# Altium PCB MainBoard_Layout_V2.1.PcbDoc (part 1 of 3)
Units mil, origin at the board's own origin, x right, y up, seen from the top; angles counter-clockwise.
Board outline 6141.73 x 3281.1 mil, 4 copper layers (Top Layer 1, Top Layer, Bottom Layer, Bottom Layer 1), stack 61.811 mil thick; 308 components, 232 nets, 1106 pads, 632 vias.
Unrouted connection lines stored in the file: 2.
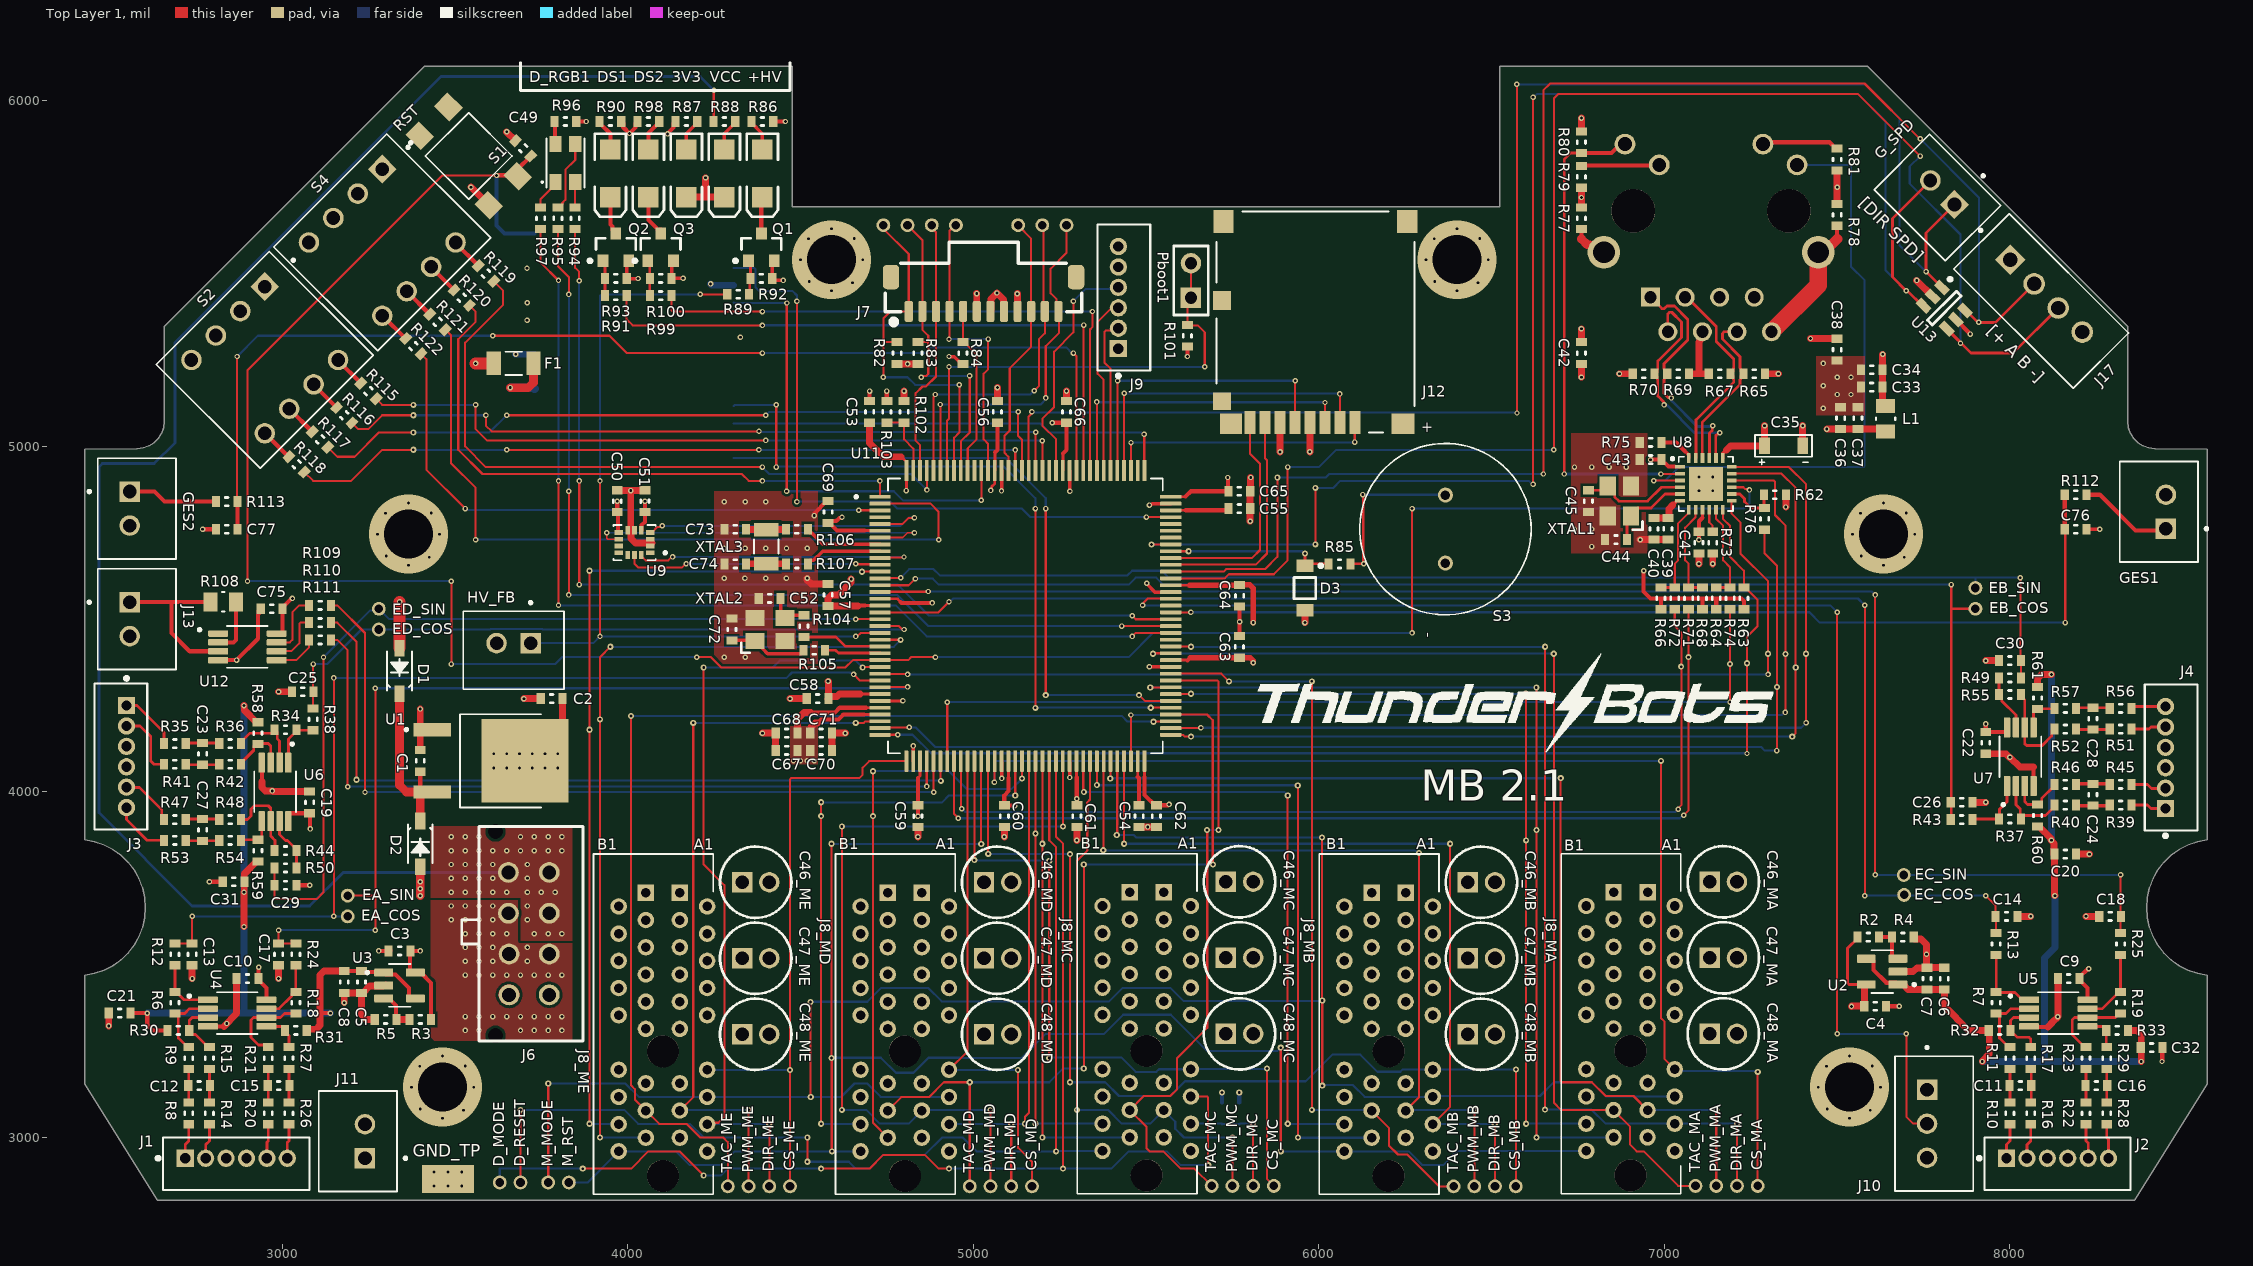
[diagram p0: Top Layer 1 view]
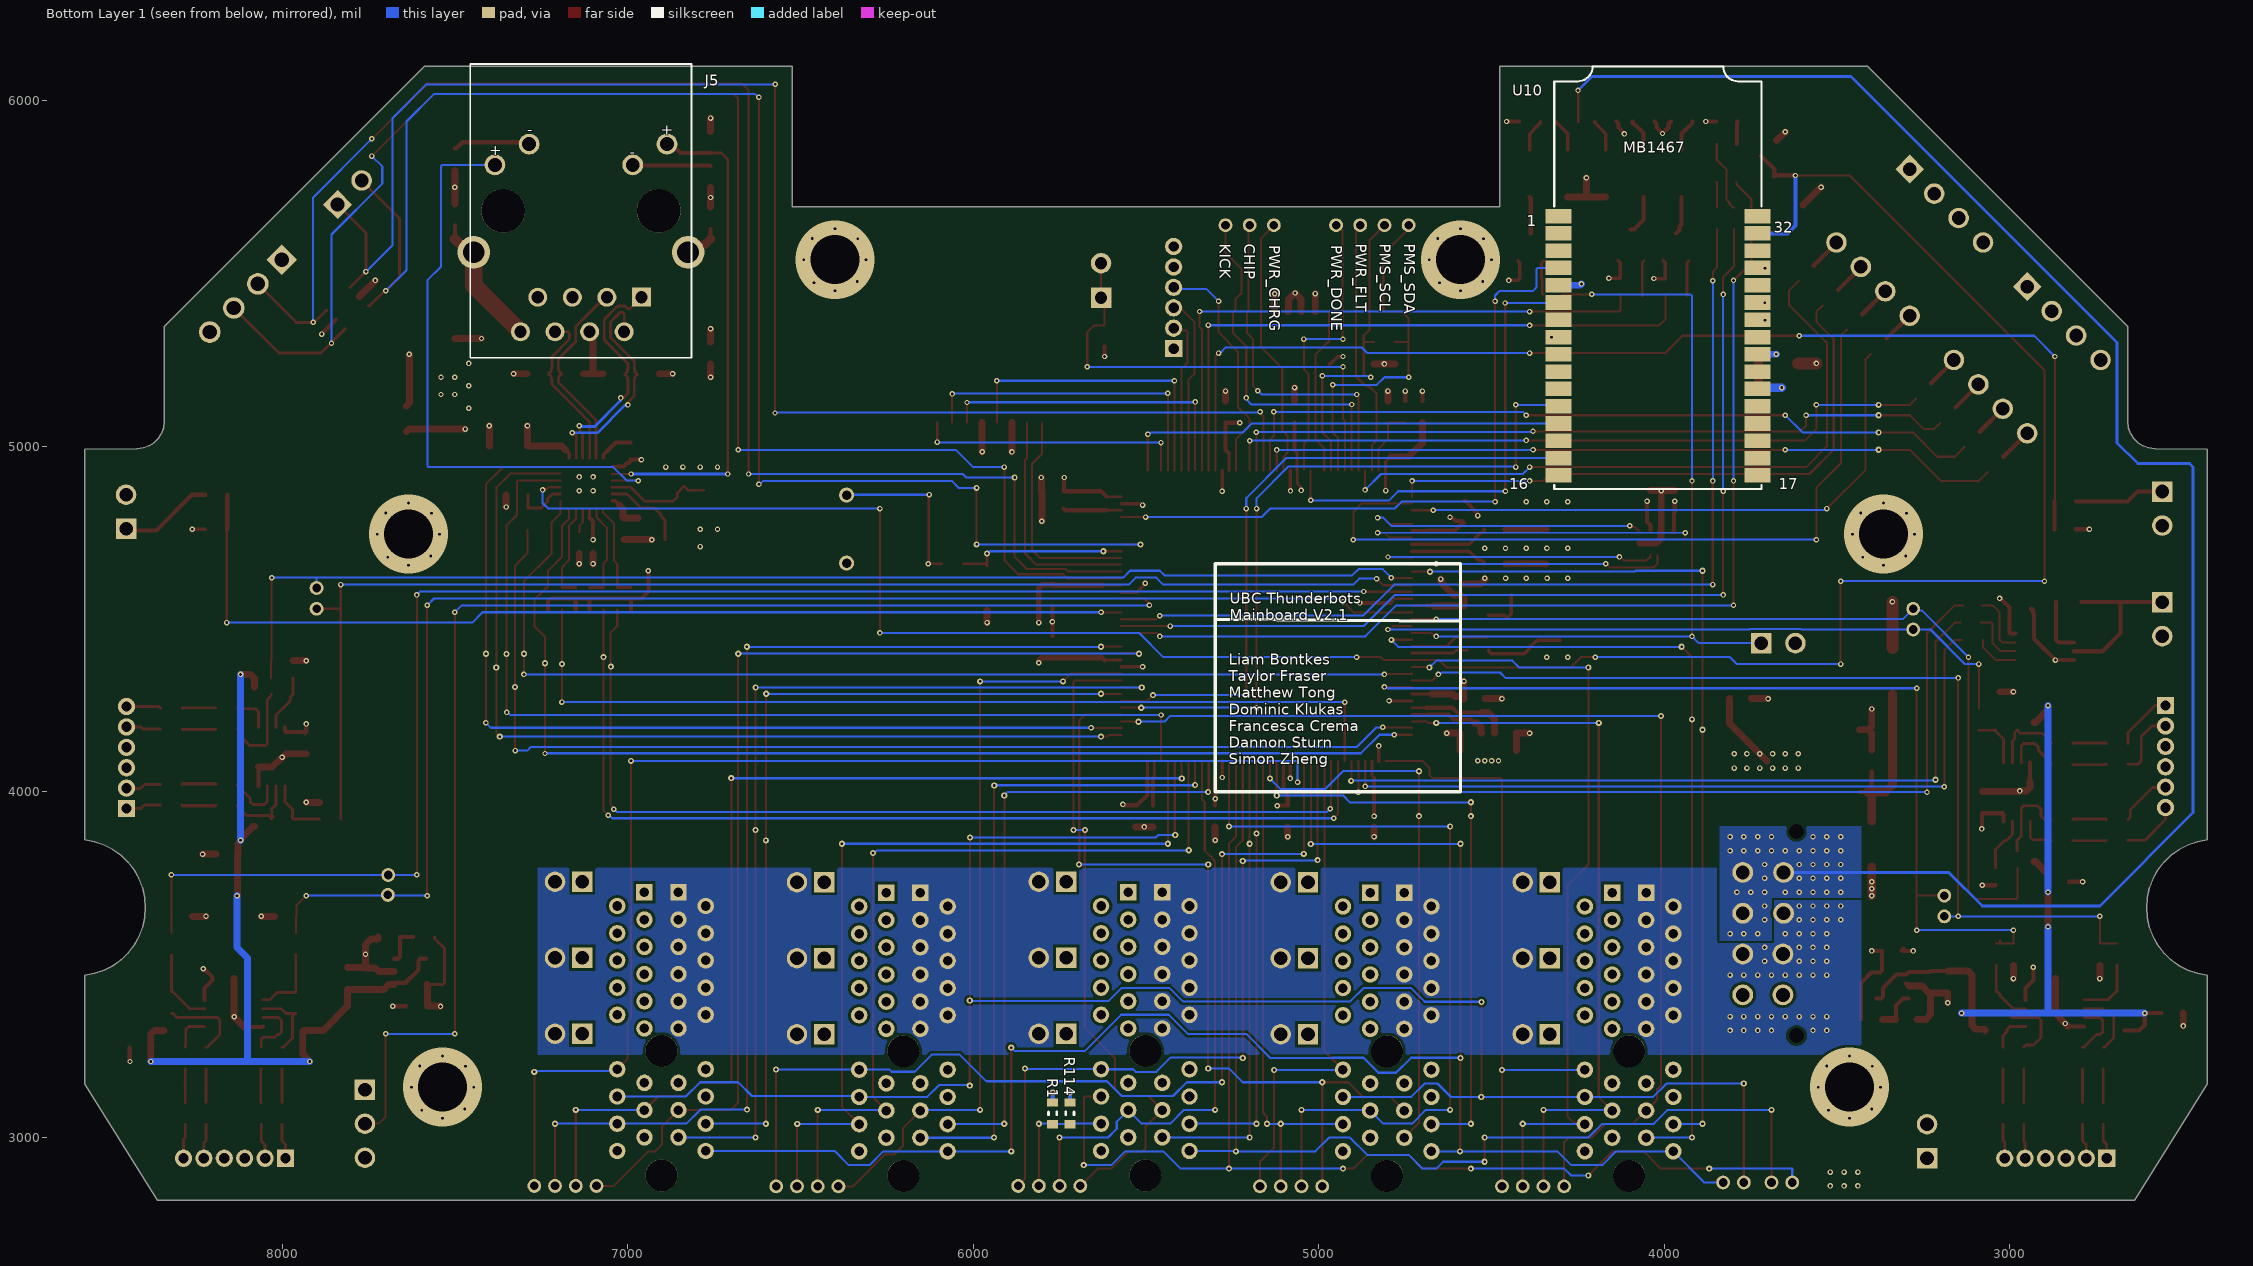
[diagram p1: Bottom Layer 1 view, seen from below]
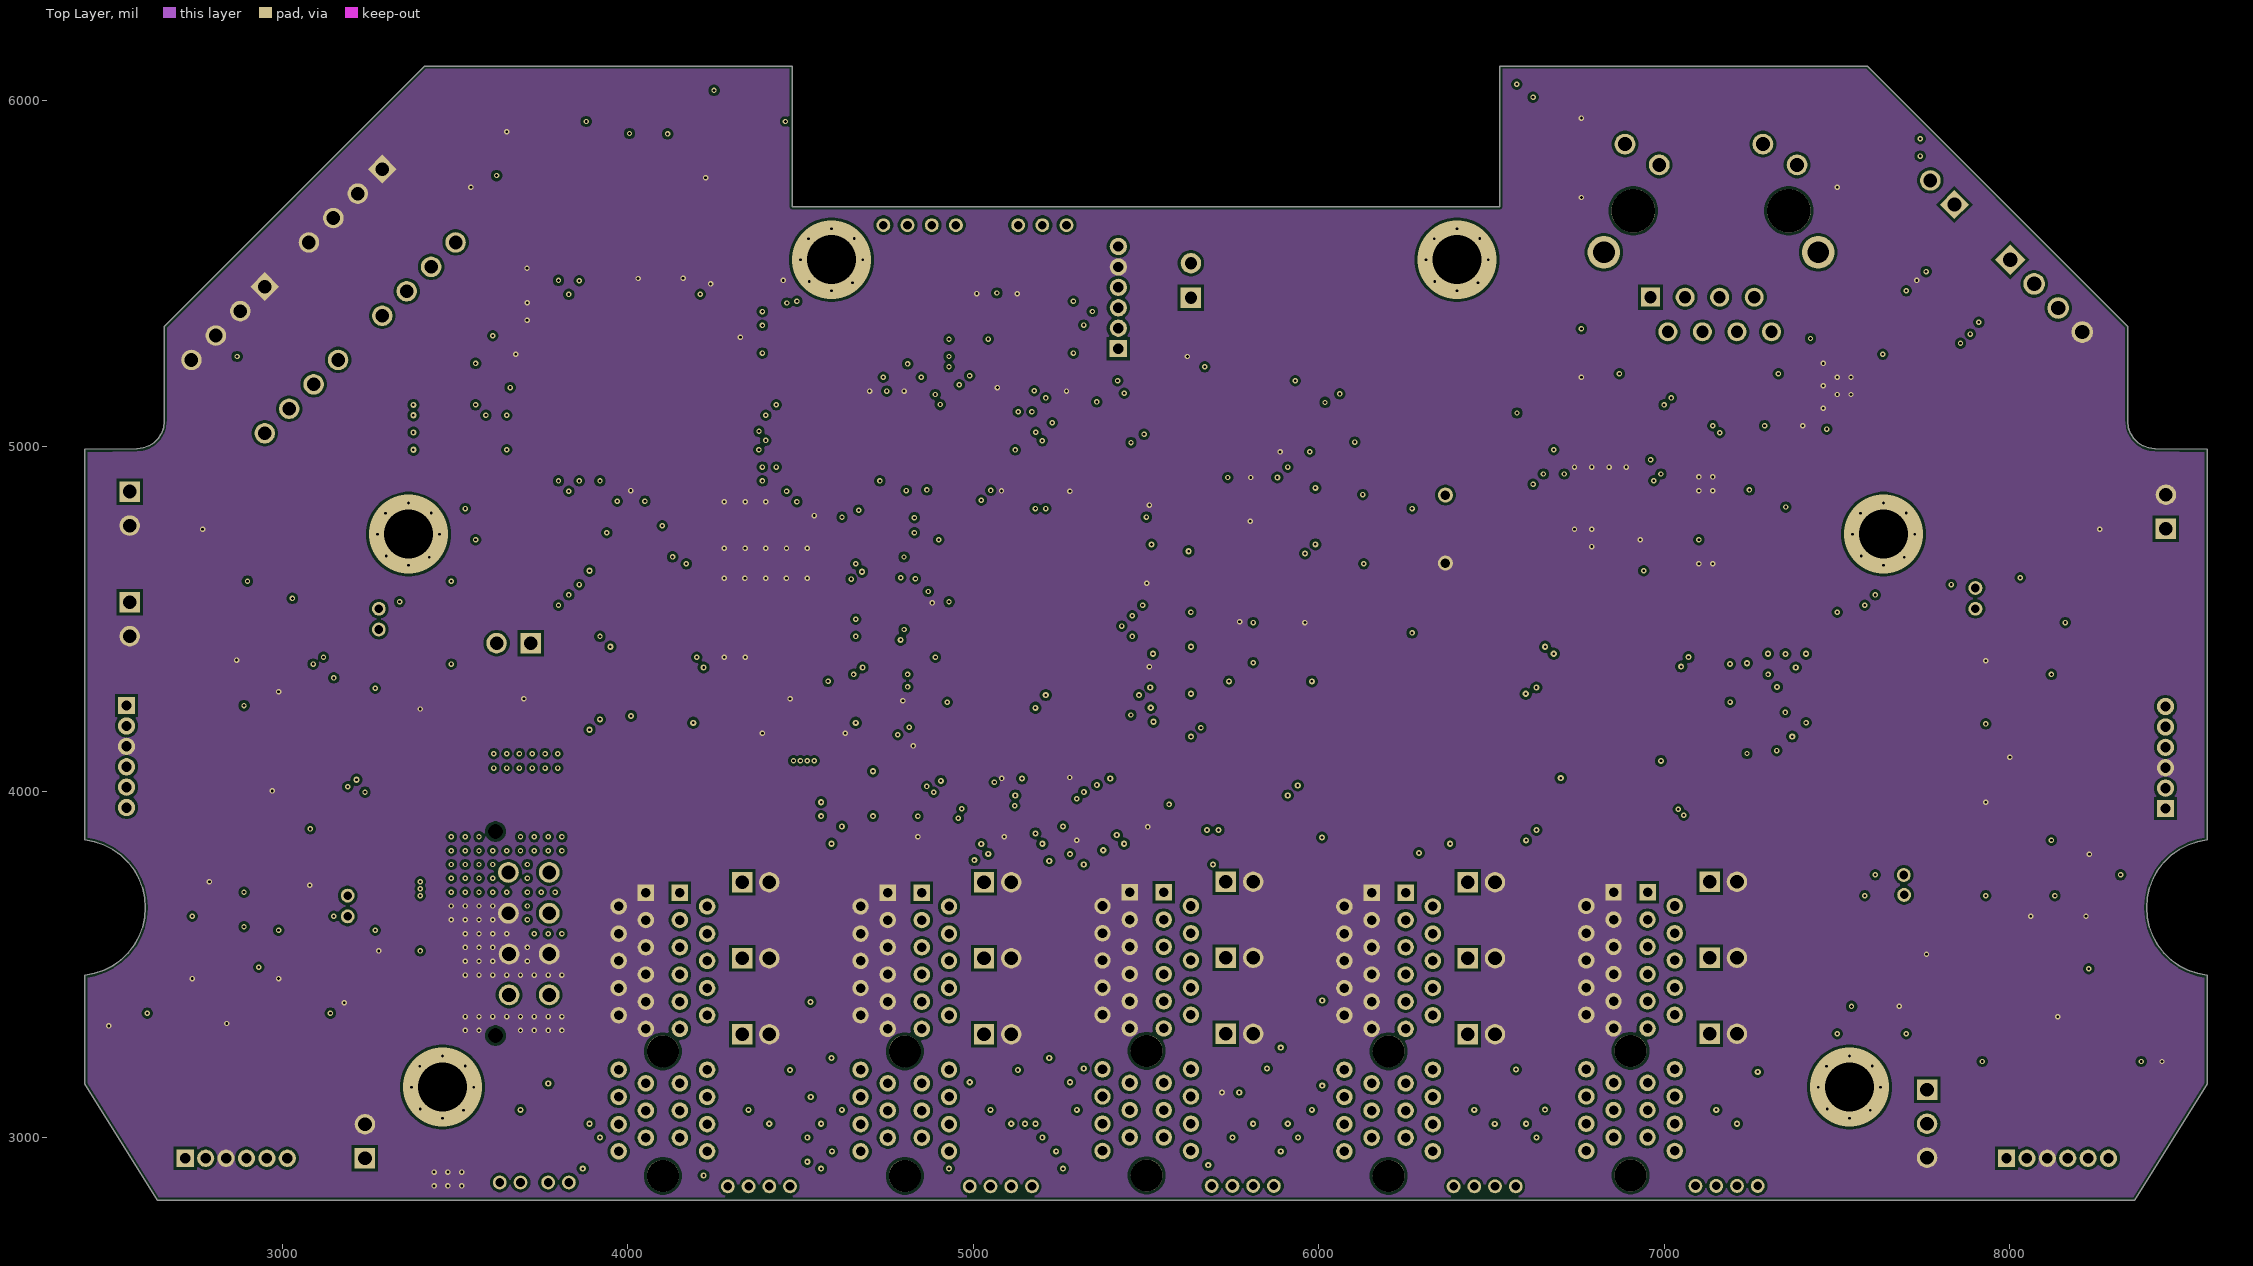
[diagram p2: Top Layer]
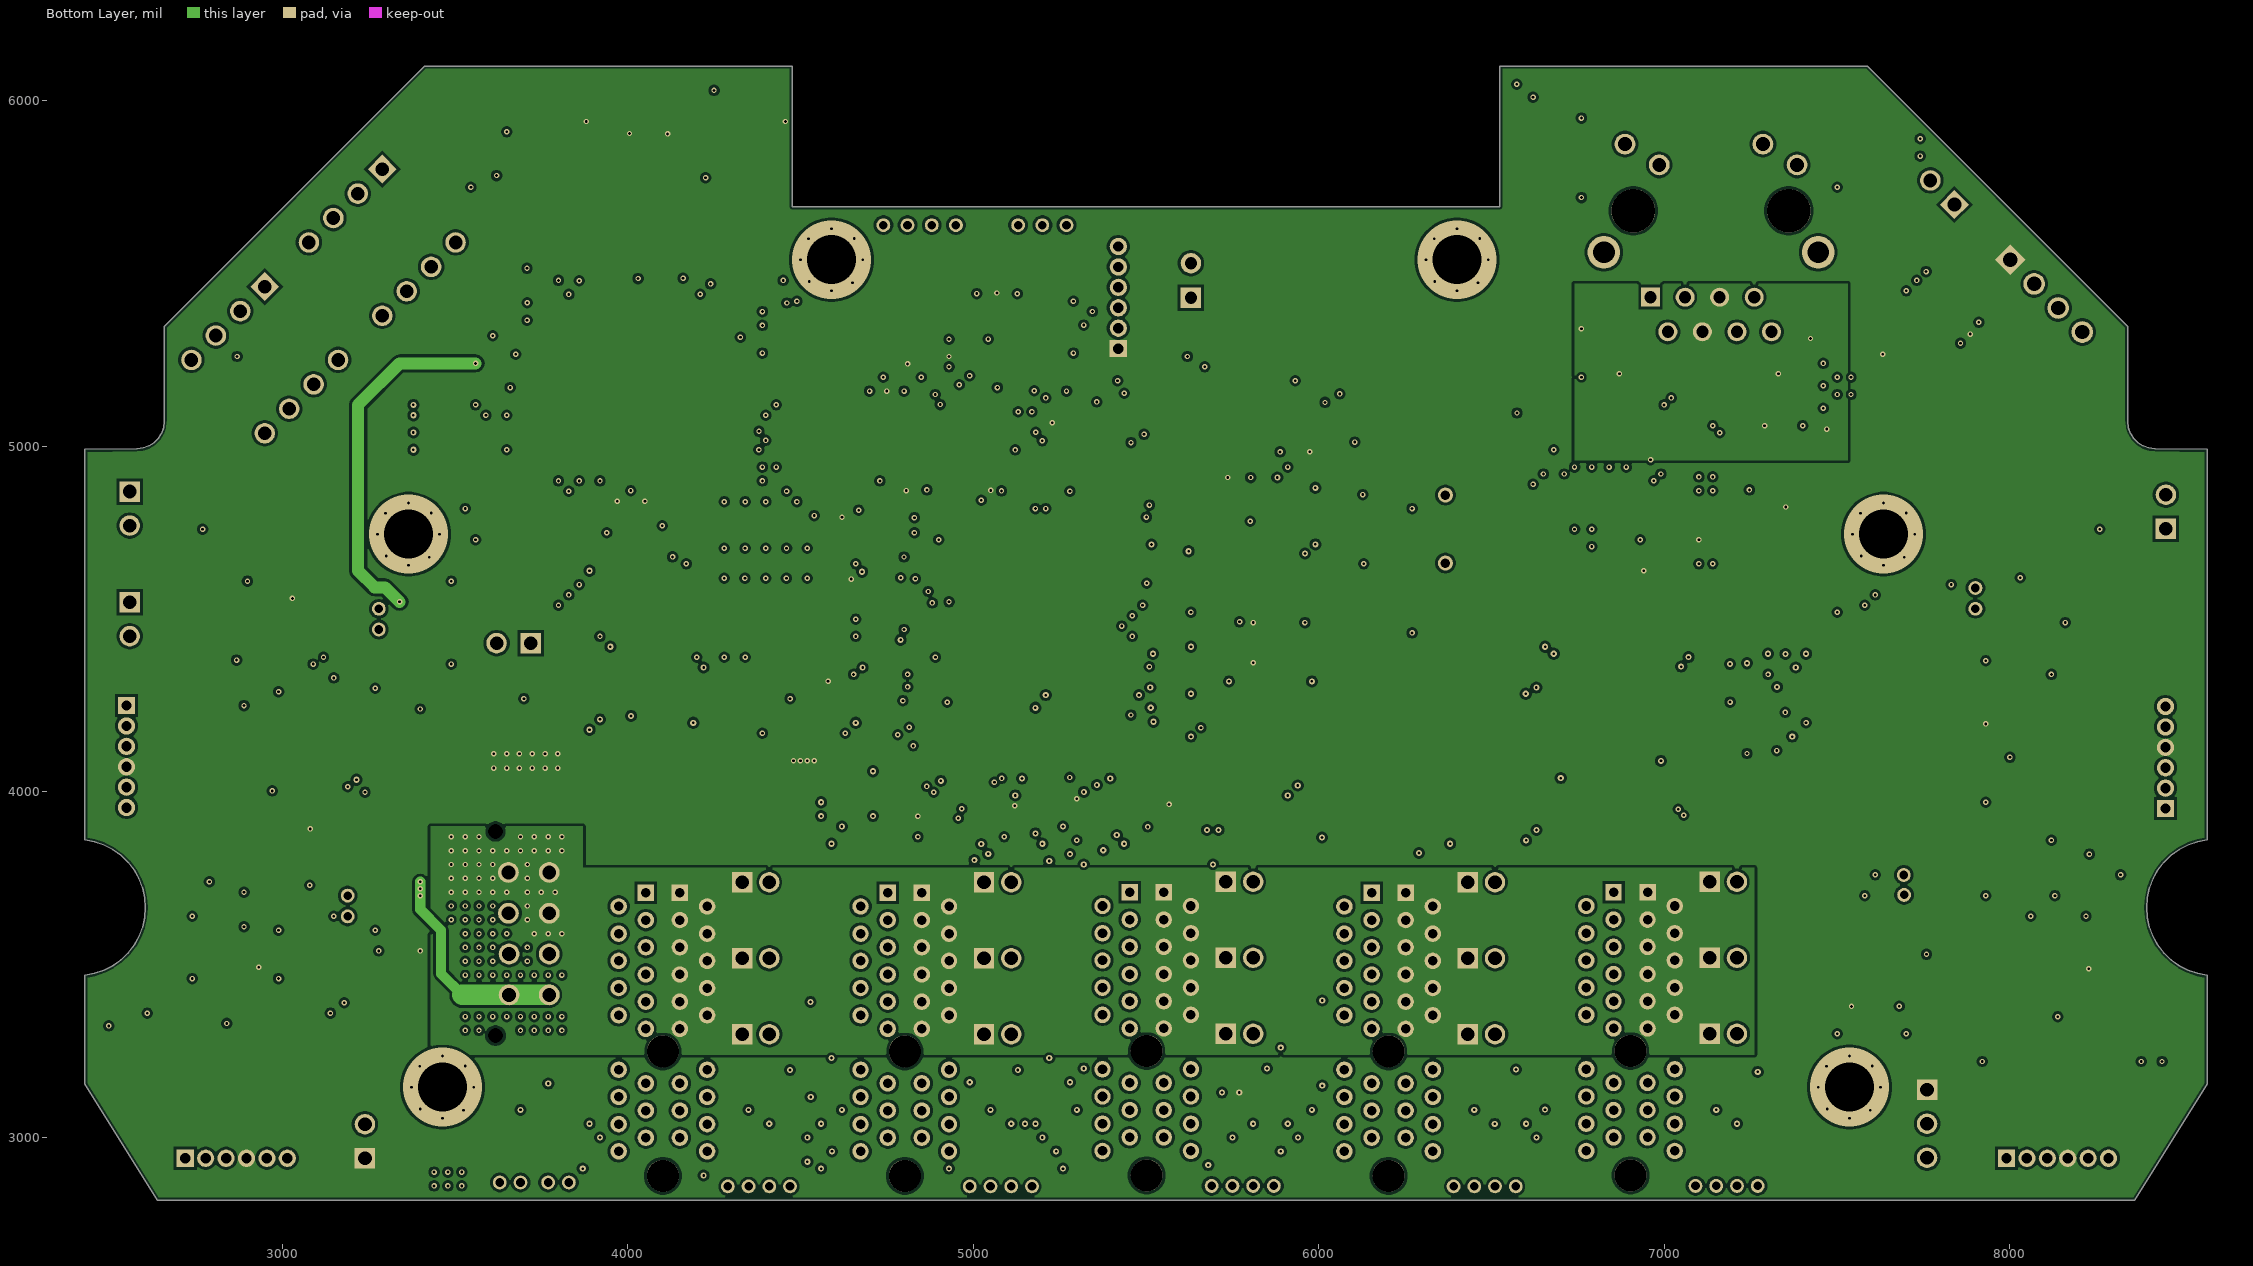
[diagram p3: Bottom Layer]

## Layer stack, top to bottom
Top Solder: solder mask 0.4, Solder Resist, Dk 3.5
Top Layer 1: signal copper 1.378
Dielectric 2: prepreg 3.937, PP-006, Dk 4.05
Top Layer: signal copper 0.689
Dielectric 1: core 49.8031, Core-025, Dk 4.05
Bottom Layer: signal copper 0.689
Dielectric 3: prepreg 3.937, PP-006, Dk 4.05
Bottom Layer 1: signal copper 1.378
Bottom Solder: solder mask 0.4, Solder Resist, Dk 3.5

## Board outline
8395.32,3665.29 8397.42,3693.97 8403.68,3722.04 8413.96,3748.9 8428.05,3773.98 8445.64,3796.73 8466.36,3816.68 8489.76,3833.4 8515.35,3846.53 8542.58,3855.79 8570.87,3860.98 8570.87,4991.58 8419.63,4993.33 8402.11,4995.3 8385.47,5001.13 8370.54,5010.51 8358.07,5022.98 8348.69,5037.9 8342.86,5054.55 8340.89,5072.07 8340.89,5347 7587.89,6100 6523.62,6100 6523.62,5692.91 4476.38,5692.91 4476.38,6100 3412.11,6100 2659.11,5347 2659.11,5072.07 2657.14,5054.55 2651.31,5037.9 2641.93,5022.98 2629.46,5010.51 2614.53,5001.13 2597.89,4995.3 2580.37,4993.33 2429.13,4991.58 2429.13,3860.98 2457.42,3855.79 2484.65,3846.53 2510.24,3833.4 2533.64,3816.68 2554.36,3796.73 2571.95,3773.98 2586.04,3748.9 2596.32,3722.04 2602.58,3693.97 2604.68,3665.29 2602.58,3636.6 2596.32,3608.53 2586.04,3581.67 2571.95,3556.6 2554.36,3533.84 2533.64,3513.89 2510.24,3497.18 2484.65,3484.05 2457.42,3474.79 2429.13,3469.59 2429.13,3154.63 2639.37,2818.9 8360.63,2818.9 8570.87,3154.63 8570.87,3469.59 8542.58,3474.79 8515.35,3484.05 8489.76,3497.18 8466.36,3513.89 8445.64,3533.84 8428.05,3556.6 8413.96,3581.67 8403.68,3608.53 8397.42,3636.6

## Design rules (kind name [scope] priority, off if disabled: settings)
BoardOutlineClearance [All] p1: gap=7.87 ignorepadtopadclearanceinfootprint=FALSE except(15.75: Arc-SplitBarrior Arc-SplitContinuation Track-SplitBarrior Track-SplitContinuation SMDPad-SplitBarrior SMDPad-SplitContinuation THPad-SplitBarrior THPad-SplitContinuation Via-SplitBarrior Via-SplitContinuation Fill-SplitBarrior Fill-SplitContinuation Poly-SplitBarrior Poly-SplitContinuation Region-SplitBarrior Region-SplitContinuation Text-SplitBarrior Text-SplitContinuation)
Clearance "Clearance Bottom Layer" [OnLayer('Bottom Layer')] p1: gap=8 ignorepadtopadclearanceinfootprint=TRUE except(10: Arc-Text Track-Text SMDPad-Text THPad-Text Via-Text Fill-Text Poly-Text Region-Text Text-Text)
Clearance "Clearance Top Layer" [OnLayer('Top Layer')] p2: gap=8 ignorepadtopadclearanceinfootprint=TRUE except(10: Arc-Text Track-Text SMDPad-Text THPad-Text Via-Text Fill-Text Poly-Text Region-Text Text-Text)
Clearance [All] p3: gap=7.87 ignorepadtopadclearanceinfootprint=FALSE except(3.5: Arc-Arc Arc-Track Arc-SMDPad Track-Track Track-SMDPad SMDPad-SMDPad; 5: Arc-Via Track-Via SMDPad-Via THPad-Via Via-Via; 10: Arc-Text Track-Text SMDPad-Text THPad-Text Via-Text Fill-Text Poly-Text Region-Text Text-Text)
DiffPairsRouting [All] p1: maxlimit=10 minlimit=10 mostfreqgap=10 toplayer_minwidth=6 toplayer_maxwidth=10 toplayer_prefwidth=6 midlayer1_minwidth=6 midlayer1_maxwidth=10 midlayer1_prefwidth=6 midlayer2_minwidth=6 midlayer2_maxwidth=10 midlayer2_prefwidth=6 bottomlayer_minwidth=6 bottomlayer_maxwidth=10 bottomlayer_prefwidth=6 maxuncoupledlength=500
HoleSize [All] p1: absolutevalues=TRUE maxlimit=248.03 minlimit=7.87 maxpercent=80.000 minpercent=20.000
MinimumAnnularRing [All] p1: minimumring=3
MinimumSolderMaskSliver [All] p1: minsoldermaskwidth=3.94
PolygonConnect [All vs IsNamedPolygon('3V3_PWR_BRD_L01_P042') Or IsNamedPolygon('NONET_L01_P-001') Or IsNamedPolygon('NONET_L01_P-001') Or IsNamedPolygon('NONET_L01_P-001') Or IsNamedPolygon('NONET_L01_P-001') Or IsNamedPolygon('NONET_L01_P-001') Or IsNamedPolygon('NONET_L01_P-001') Or IsNamedPolygon('NONET_L01_P-001') Or IsNamedPolygon('GND_L02_P001') Or IsNamedPolygon('3V3_L03_P035') Or IsNamedPolygon('LAN_VDD1A') Or IsNamedPolygon('VCC_MOTORDRIVER') Or IsNamedPolygon('3V3_PWR_BRD_L04_P044') Or IsNamedPolygon('GND_L04_P049') Or IsNamedPolygon('VCC_L04_P041')] p1: connectstyle=Direct reliefconductorwidth=10 reliefentries=4 polygonreliefangle="90 Angle" airgapwidth=10
PolygonConnect PolygonConnect_1 [All] p2: thpad.connectstyle=Relief thpad.reliefconductorwidth=20 thpad.reliefentries=4 thpad.polygonreliefangle="90 Angle" thpad.airgapwidth=10 smdpad.connectstyle=Relief smdpad.reliefconductorwidth=20 smdpad.reliefentries=4 smdpad.polygonreliefangle="90 Angle" smdpad.airgapwidth=10 via.connectstyle=Direct via.reliefconductorwidth=20 via.reliefentries=4 via.polygonreliefangle="90 Angle" via.airgapwidth=10
RoomDefinition U_Mainboard_ThermistorAmp [InComponentClass('U_Mainboard_ThermistorAmp')] p1: confinementstyle=ConfineIn formatcopy=TRUE lockcomponents=FALSE outline 2404.65,4488.39 3254.65,4488.39 3254.65,4958.39 2404.65,4958.39
RoomDefinition U_Mainboard_MCU_Breakout [InComponentClass('U_Mainboard_MCU_Breakout')] p2: confinementstyle=ConfineIn formatcopy=TRUE lockcomponents=FALSE outline 4220,3880 5820,3880 5820,5160 4220,5160
RoomDefinition U_Mainboard_User_Interface [InComponentClass('U_Mainboard_User_Interface')] p3: confinementstyle=ConfineIn formatcopy=TRUE lockcomponents=FALSE outline 2460,4960 8560,4960 8560,6530 2460,6530
RoomDefinition U_Mainboard_RMII_Interface [InComponentClass('U_Mainboard_RMII_Interface')] p4: confinementstyle=ConfineIn formatcopy=TRUE lockcomponents=FALSE outline 6500,4681.5 7590,4681.5 7590,6491.5 6500,6491.5
RoomDefinition ME [InComponentClass('ME')] p5: confinementstyle=ConfineIn formatcopy=TRUE lockcomponents=FALSE outline 3871.57,2814.33 4551.57,2814.33 4551.57,3882.83 3871.57,3882.83
RoomDefinition MD [InComponentClass('MD')] p6: confinementstyle=ConfineIn formatcopy=TRUE lockcomponents=FALSE outline 4571.57,2814.33 5251.57,2814.33 5251.57,3882.83 4571.57,3882.83
RoomDefinition MC [InComponentClass('MC')] p7: confinementstyle=ConfineIn formatcopy=TRUE lockcomponents=FALSE outline 5271.57,2815.59 5951.57,2815.59 5951.57,3884.09 5271.57,3884.09
RoomDefinition MB [InComponentClass('MB')] p8: confinementstyle=ConfineIn formatcopy=TRUE lockcomponents=FALSE outline 5971.57,2814.33 6651.57,2814.33 6651.57,3882.83 5971.57,3882.83
RoomDefinition MA [InComponentClass('MA')] p9: confinementstyle=ConfineIn formatcopy=TRUE lockcomponents=FALSE outline 6671.57,2815.59 7351.57,2815.59 7351.57,3884.09 6671.57,3884.09
RoutingCorners [All] p1: cornerstyle=Round minsetback=100 maxsetback=100
RoutingVias [All] p1: holewidth=7.87 width=15.75 viastyle="Through Hole" minholewidth=7.87 minwidth=17.72 maxholewidth=39.37 maxwidth=78.74
SilkToSilkClearance [All] p1: silktosilkclearance=3.94
SilkToSolderMaskClearance [IsPad] p1: minsilkscreentomaskgap=3.94 clearancetoexposedcopper=TRUE
SolderMaskExpansion [All] p1: expansion=4 istentingtop=FALSE
Width [All] p1: maxlimit=100 minlimit=3.5 preferedwidth=6
24 further rules are at their usual default settings.

## Classes and differential pairs
component class U_Mainboard_MCU_Func: C49 C50 C51 S1 U9
channel class Mainboard_Motordriver_Interface: MA MB MC MD ME
component class ME: C46_ME C47_ME C48_ME CS_ME DIR_ME J8_ME PWM_ME TAC_ME
component class MD: C46_MD C47_MD C48_MD CS_MD DIR_MD J8_MD PWM_MD TAC_MD
component class MC: C46_MC C47_MC C48_MC CS_MC DIR_MC J8_MC PWM_MC TAC_MC
component class MB: C46_MB C47_MB C48_MB CS_MB DIR_MB J8_MB PWM_MB TAC_MB
component class MA: C46_MA C47_MA C48_MA CS_MA DIR_MA J8_MA PWM_MA TAC_MA
component class U_Mainboard_Geneva_Interface: C76 C77 G_SPD GES1 GES2 J17 R112 R113 U13
component class U_Mainboard_ThermistorAmp: C75 J13 R108 R109 R110 R111 U12
component class U_Mainboard_Wifi_Interface: J9
component class U_Mainboard_User_Interface: 3V3 133.5 220 *1 +HV D3 D_RGB1 DS1 DS2 GND_TP J12 Q1 Q2 Q3 R85 R86 R87 R88 R89 R90 R91 R92 R93 R94 R95 R96 R97 R98 R99 R100 R115 R116 R117 R118 R119 R120 R121 R122 S2 S3 S4 VCC
component class U_MainBoard_MCU_Power: C1 C2 D1 D2 F1 U1
component class U_Mainboard_Debug_Interface: U10
component class U_Mainboard_Breakbeam_Interface: J10 J11
component class U_Mainboard_RMII_Interface: C33 C34 C35 C36 C37 C38 C39 C40 C41 C42 C43 C44 C45 J5 L1 R62 R63 R64 R65 R66 R67 R68 R69 R70 R71 R72 R73 R74 R75 R76 R77 R78 R79 R80 R81 U8 XTAL1
component class U_Mainboard_Power_Interface: HV_FB J6 J7 R82 R83 R84
component class U_Mainboard_MCU_Breakout: C52 C53 C54 C55 C56 C57 C58 C59 C60 C61 C62 C63 C64 C65 C66 C67 C68 C69 C70 C71 C72 C73 C74 CHIP D_MODE D_RESET HW? KICK M_MODE M_RST PWR_CHRG PWR_DONE PWR_FLT R1 R101 R102 R103 R104 R105 R106 R107 R114 U11 XTAL2 XTAL3
component class U_Mainboard_Encoder_Interface: C3 C4 C5 C6 C7 C8 C9 C10 C11 C12 C13 C14 C15 C16 C17 C18 C19 C20 C21 C22 C23 C24 C25 C26 C27 C28 C29 C30 C31 C32 EA_COS EA_SIN EB_COS EB_SIN EC_COS EC_SIN ED_COS ED_SIN J1 J2 J3 J4 R2 R3 R4 R5 R6 R7 R8 R9 R10 R11 R12 R13 R14 R15 R16 R17 R18 R19 R20 R21 R22 R23 R24 R25 R26 R27 R28 R29 R30 R31 R32 R33 R34 R35 R36 R37 R38 R39 R40 R41 R42 R43 R44 R45 R46 R47 R48 R49 R50 R51 R52 R53 R54 R55 R56 R57 R58 R59 R60 R61 U2 U3 U4 U5 U6 U7
component class MainBoard_Top: Pboot1
differential pair TD: +TD_P -TD_N
differential pair RD: +RD_P -RD_N
